# KiCad board travis_erg2024-new5.kicad_pcb
title: travis_erg2024; rev: 2024.03.31; company: Travis Hardiman
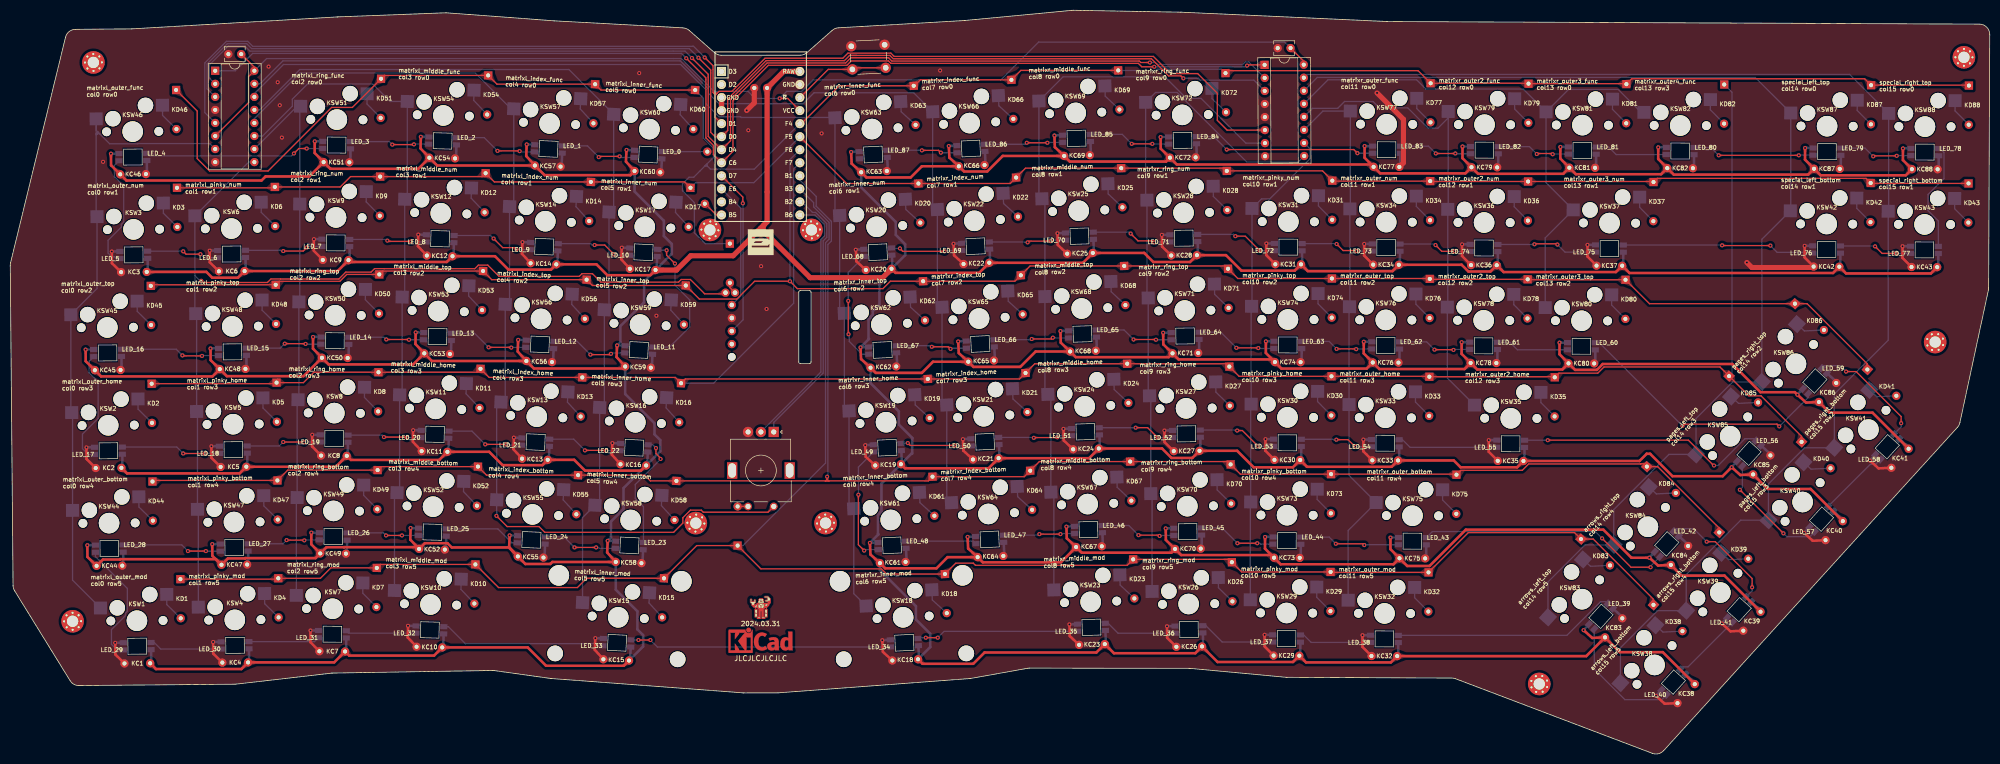
[diagram p0: board, top side]
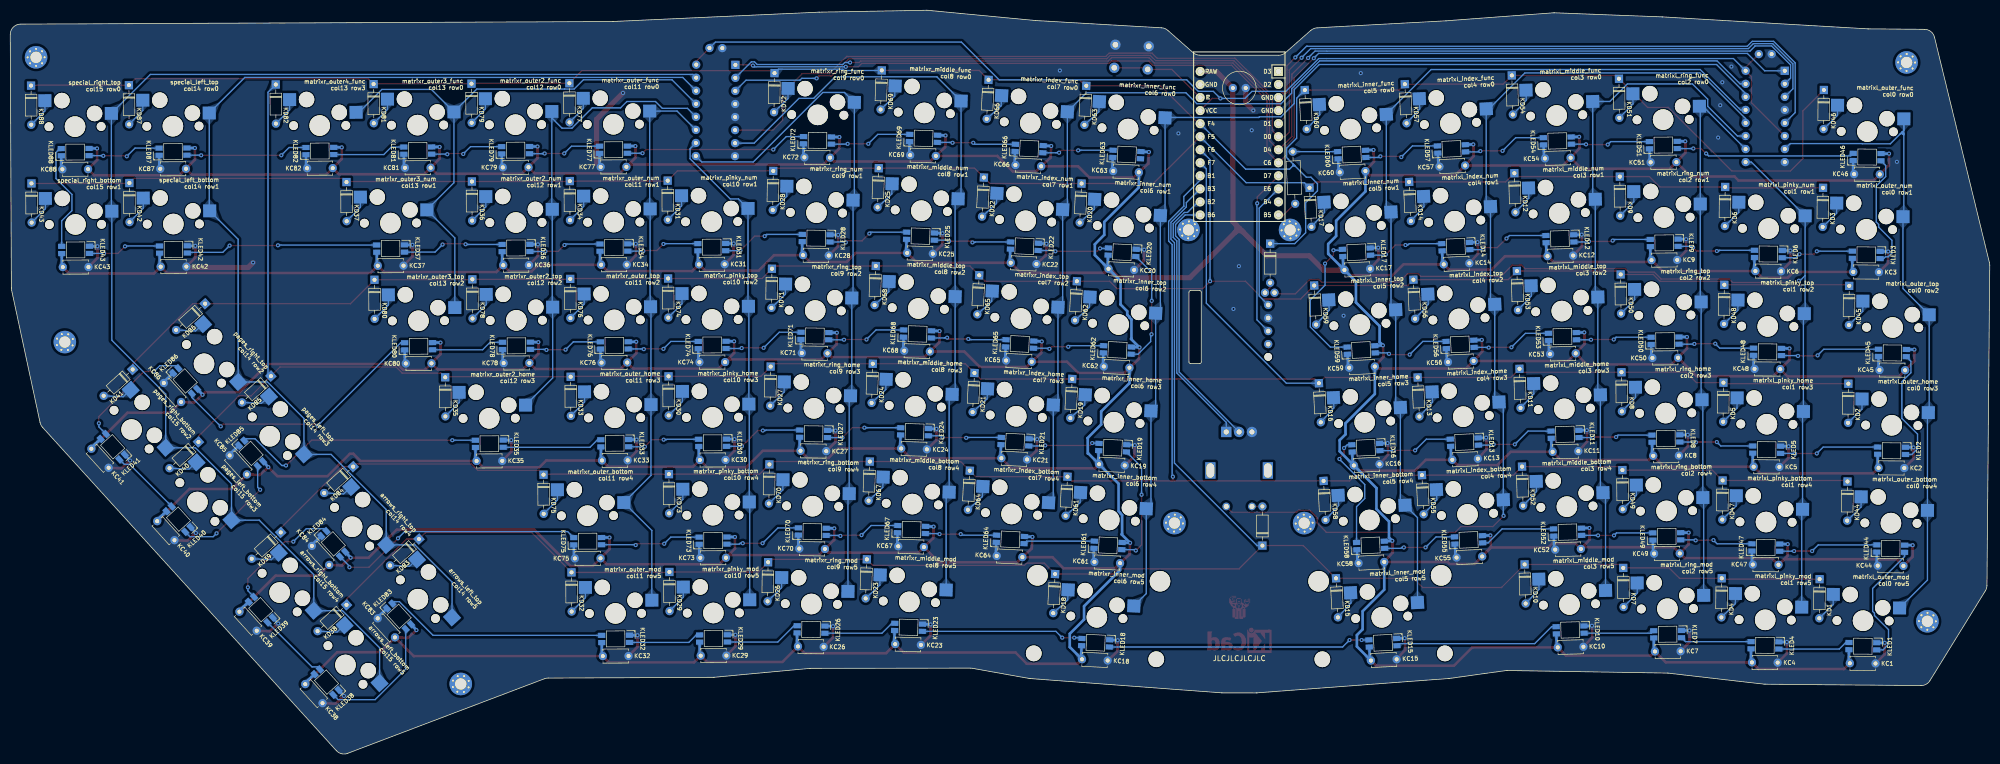
[diagram p1: board, bottom side, seen from below]

Outline 385.27 x 144.76 mm; copper layers: Top, Bottom. Coordinates in mm from the lower left corner of the outline.
Outline path: 0,95.11 arc(0.01,95.36) 0.06,95.6 10.76,139.52 arc(11.46,140.62) 12.68,141.05 23.6,141.14 arc(23.65,141.14) 23.7,141.15 63.72,143.47 arc(63.74,143.48) 63.76,143.48 84.7,144.27 arc(84.81,144.27) 84.92,144.27 105.82,142.71 arc(105.84,142.71) 105.86,142.71 130.92,141.34 arc(131.57,141.19) 132.14,140.84 137.07,136.51 arc(137.68,136.14) 138.39,136.01 153.73,136.02 arc(154.43,136.14) 155.05,136.51 159.98,140.86 arc(160.54,141.2) 161.18,141.35 185.73,142.77 arc(185.77,142.78) 185.8,142.78 206.65,144.76 arc(206.76,144.76) 206.87,144.76 227.81,144.39 arc(227.84,144.39) 227.87,144.39 267.93,142.57 arc(267.98,142.57) 268.02,142.57 383.27,142.06 arc(384.69,141.47) 385.27,140.06 385.05,90.69 arc(385.04,90.48) 385.01,90.28 379.46,64.49 arc(379.29,64) 378.99,63.56 321.8,0.6 arc(320.78,0) 319.61,0.07 281.28,14.61 arc(280.94,14.7) 280.58,14.74 248.46,14.88 arc(248.37,14.88) 248.28,14.89 229.6,16.62 arc(229.51,16.63) 229.42,16.63 198.32,16.67 arc(198.14,16.66) 197.96,16.64 186.99,14.67 arc(186.89,14.66) 186.79,14.65 149.48,11.86 arc(149.41,11.86) 149.33,11.85 142.78,11.85 arc(142.71,11.85) 142.63,11.85 105.29,14.64 arc(105.22,14.65) 105.16,14.66 94.14,16.19 arc(93.99,16.21) 93.83,16.21 62.73,15.71 arc(62.63,15.7) 62.53,15.69 43.92,13.55 arc(43.81,13.54) 43.71,13.54 13.37,13.27 arc(12.38,13.52) 11.65,14.22 0.84,31.74 arc(0.62,32.23) 0.54,32.77 0,95.11

## Placement (name value [footprint] x y rotation side)
C1  6.3V1000UF 6x11mm  [C_Radial_D6.3mm_H11.0mm_P2.50mm]  147.31 129.63 180 bottom
C2  104  [C_Disc_D3.8mm_W2.6mm_P2.50mm]  44.95 136.23 180 top
C3  104  [C_Disc_D3.8mm_W2.6mm_P2.50mm]  249.18 137.41 180.2 top
D1  1N4148  [Diode_DO-35]  140.06 99.32 270 bottom
D2  1N4148  [Diode_DO-35]  141.56 40.53 90 bottom
DIP1  74HC138N  [DIP-16_W7.62mm_Socket]  39.89 132.98 0 top
DIP2  74HC138N  [DIP-16_W7.62mm_Socket]  244.14 134.13 0.2 top
HOLE1  -  [MountingHole_2.2mm_M2_Pad_Via]  16.18 134.6 0.5 top
HOLE2  -  [MountingHole_2.2mm_M2_Pad_Via]  136.17 101.99 357.2 top
HOLE3  -  [MountingHole_2.2mm_M2_Pad_Via]  155.94 102 2.8 top
HOLE4  -  [MountingHole_2.2mm_M2_Pad_Via]  133.43 44.9 357.2 top
HOLE5  -  [MountingHole_2.2mm_M2_Pad_Via]  158.68 44.91 2.8 top
HOLE6  -  [MountingHole_2.2mm_M2_Pad_Via]  380.25 135.6 359.8 top
HOLE7  -  [MountingHole_2.2mm_M2_Pad_Via]  374.65 80.16 23.8 top
HOLE8  -  [MountingHole_2.2mm_M2_Pad_Via]  297.59 13.58 23.8 top
HOLE9  -  [MountingHole_2.2mm_M2_Pad_Via]  12.13 25.79 0.5 top
KC1  104  [C_Disc_D4.7mm_W2.5mm_P5.00mm]  27.23 17.62 180.5 bottom
KC2  104  [C_Disc_D4.7mm_W2.5mm_P5.00mm]  21.63 55.67 180.5 bottom
KC3  104  [C_Disc_D4.7mm_W2.5mm_P5.00mm]  26.56 93.82 180.5 bottom
KC4  104  [C_Disc_D4.7mm_W2.5mm_P5.00mm]  46.28 17.79 180.5 bottom
KC5  104  [C_Disc_D4.7mm_W2.5mm_P5.00mm]  45.94 55.88 180.5 bottom
KC6  104  [C_Disc_D4.7mm_W2.5mm_P5.00mm]  45.61 93.98 180.5 bottom
KC7  104  [C_Disc_D4.7mm_W2.5mm_P5.00mm]  65.16 19.91 179.5 bottom
KC8  104  [C_Disc_D4.7mm_W2.5mm_P5.00mm]  65.5 58.01 179.5 bottom
KC9  104  [C_Disc_D4.7mm_W2.5mm_P5.00mm]  65.83 96.11 179.5 bottom
KC10  104  [C_Disc_D4.7mm_W2.5mm_P5.00mm]  84.08 20.7 178.5 bottom
KC11  104  [C_Disc_D4.7mm_W2.5mm_P5.00mm]  85.07 58.79 178.5 bottom
KC12  104  [C_Disc_D4.7mm_W2.5mm_P5.00mm]  86.07 96.88 178.5 bottom
KC13  104  [C_Disc_D4.7mm_W2.5mm_P5.00mm]  104.61 57.23 177.5 bottom
KC14  104  [C_Disc_D4.7mm_W2.5mm_P5.00mm]  106.27 95.29 177.5 bottom
KC15  104  [C_Disc_D4.7mm_W2.5mm_P5.00mm]  120.43 18.15 177.2 bottom
KC16  104  [C_Disc_D4.7mm_W2.5mm_P5.00mm]  123.76 56.13 177.2 bottom
KC17  104  [C_Disc_D4.7mm_W2.5mm_P5.00mm]  125.59 94.19 177.2 bottom
KC18  104  [C_Disc_D4.7mm_W2.5mm_P5.00mm]  176.67 18.4 182.8 bottom
KC19  104  [C_Disc_D4.7mm_W2.5mm_P5.00mm]  173.35 56.38 182.8 bottom
KC20  104  [C_Disc_D4.7mm_W2.5mm_P5.00mm]  171.52 94.44 182.8 bottom
KC21  104  [C_Disc_D4.7mm_W2.5mm_P5.00mm]  192.36 57.54 182.8 bottom
KC22  104  [C_Disc_D4.7mm_W2.5mm_P5.00mm]  190.54 95.6 182.8 bottom
KC23  104  [C_Disc_D4.7mm_W2.5mm_P5.00mm]  213.03 21.35 181.8 bottom
KC24  104  [C_Disc_D4.7mm_W2.5mm_P5.00mm]  211.87 59.43 181.8 bottom
KC25  104  [C_Disc_D4.7mm_W2.5mm_P5.00mm]  210.7 97.51 181.8 bottom
KC26  104  [C_Disc_D4.7mm_W2.5mm_P5.00mm]  231.96 20.89 180.8 bottom
KC27  104  [C_Disc_D4.7mm_W2.5mm_P5.00mm]  231.46 58.98 180.8 bottom
KC28  104  [C_Disc_D4.7mm_W2.5mm_P5.00mm]  230.96 97.08 180.8 bottom
KC29  104  [C_Disc_D4.7mm_W2.5mm_P5.00mm]  250.89 19.09 179.8 bottom
KC30  104  [C_Disc_D4.7mm_W2.5mm_P5.00mm]  251.05 57.19 179.8 bottom
KC31  104  [C_Disc_D4.7mm_W2.5mm_P5.00mm]  251.22 95.29 179.8 bottom
KC32  104  [C_Disc_D4.7mm_W2.5mm_P5.00mm]  269.94 19.01 179.8 bottom
KC33  104  [C_Disc_D4.7mm_W2.5mm_P5.00mm]  270.1 57.11 179.8 bottom
KC34  104  [C_Disc_D4.7mm_W2.5mm_P5.00mm]  270.27 95.21 179.8 bottom
KC35  104  [C_Disc_D4.7mm_W2.5mm_P5.00mm]  294.52 57 179.8 bottom
KC36  104  [C_Disc_D4.7mm_W2.5mm_P5.00mm]  289.32 95.12 179.8 bottom
KC37  104  [C_Disc_D4.7mm_W2.5mm_P5.00mm]  313.73 95.02 179.8 bottom
KC38  104  [C_Disc_D4.7mm_W2.5mm_P5.00mm]  327.85 13.55 227.8 bottom
KC39  104  [C_Disc_D4.7mm_W2.5mm_P5.00mm]  340.66 27.66 227.8 bottom
KC40  104  [C_Disc_D4.7mm_W2.5mm_P5.00mm]  356.67 45.28 227.8 bottom
KC41  104  [C_Disc_D4.7mm_W2.5mm_P5.00mm]  369.48 59.38 227.8 bottom
KC42  104  [C_Disc_D4.7mm_W2.5mm_P5.00mm]  355.99 94.83 179.8 bottom
KC43  104  [C_Disc_D4.7mm_W2.5mm_P5.00mm]  375.04 94.75 179.8 bottom
KC44  104  [C_Disc_D4.7mm_W2.5mm_P5.00mm]  16.8 36.58 0.5 bottom
KC45  104  [C_Disc_D4.7mm_W2.5mm_P5.00mm]  16.47 74.68 0.5 bottom
KC46  104  [C_Disc_D4.7mm_W2.5mm_P5.00mm]  21.4 112.82 0.5 bottom
KC47  104  [C_Disc_D4.7mm_W2.5mm_P5.00mm]  41.11 36.79 0.5 bottom
KC48  104  [C_Disc_D4.7mm_W2.5mm_P5.00mm]  40.78 74.89 0.5 bottom
KC49  104  [C_Disc_D4.7mm_W2.5mm_P5.00mm]  60.33 39 359.5 bottom
KC50  104  [C_Disc_D4.7mm_W2.5mm_P5.00mm]  60.66 77.1 359.5 bottom
KC51  104  [C_Disc_D4.7mm_W2.5mm_P5.00mm]  60.99 115.2 359.5 bottom
KC52  104  [C_Disc_D4.7mm_W2.5mm_P5.00mm]  79.58 39.88 358.5 bottom
KC53  104  [C_Disc_D4.7mm_W2.5mm_P5.00mm]  80.57 77.96 358.5 bottom
KC54  104  [C_Disc_D4.7mm_W2.5mm_P5.00mm]  81.57 116.05 358.5 bottom
KC55  104  [C_Disc_D4.7mm_W2.5mm_P5.00mm]  98.78 38.41 357.5 bottom
KC56  104  [C_Disc_D4.7mm_W2.5mm_P5.00mm]  100.44 76.48 357.5 bottom
KC57  104  [C_Disc_D4.7mm_W2.5mm_P5.00mm]  102.11 114.54 357.5 bottom
KC58  104  [C_Disc_D4.7mm_W2.5mm_P5.00mm]  117.85 37.34 357.2 bottom
KC59  104  [C_Disc_D4.7mm_W2.5mm_P5.00mm]  119.68 75.4 357.2 bottom
KC60  104  [C_Disc_D4.7mm_W2.5mm_P5.00mm]  121.51 113.45 357.2 bottom
KC61  104  [C_Disc_D4.7mm_W2.5mm_P5.00mm]  169.27 37.11 2.8 bottom
KC62  104  [C_Disc_D4.7mm_W2.5mm_P5.00mm]  167.44 75.17 2.8 bottom
KC63  104  [C_Disc_D4.7mm_W2.5mm_P5.00mm]  165.61 113.22 2.8 bottom
KC64  104  [C_Disc_D4.7mm_W2.5mm_P5.00mm]  188.28 38.28 2.8 bottom
KC65  104  [C_Disc_D4.7mm_W2.5mm_P5.00mm]  186.46 76.33 2.8 bottom
KC66  104  [C_Disc_D4.7mm_W2.5mm_P5.00mm]  184.63 114.39 2.8 bottom
KC67  104  [C_Disc_D4.7mm_W2.5mm_P5.00mm]  207.45 40.24 1.8 bottom
KC68  104  [C_Disc_D4.7mm_W2.5mm_P5.00mm]  206.29 78.32 1.8 bottom
KC69  104  [C_Disc_D4.7mm_W2.5mm_P5.00mm]  205.12 116.4 1.8 bottom
KC70  104  [C_Disc_D4.7mm_W2.5mm_P5.00mm]  226.71 39.87 0.8 bottom
KC71  104  [C_Disc_D4.7mm_W2.5mm_P5.00mm]  226.21 77.97 0.8 bottom
KC72  104  [C_Disc_D4.7mm_W2.5mm_P5.00mm]  225.71 116.06 0.8 bottom
KC73  104  [C_Disc_D4.7mm_W2.5mm_P5.00mm]  245.97 38.16 359.8 bottom
KC74  104  [C_Disc_D4.7mm_W2.5mm_P5.00mm]  246.14 76.26 359.8 bottom
KC75  104  [C_Disc_D4.7mm_W2.5mm_P5.00mm]  270.38 38.06 359.8 bottom
KC76  104  [C_Disc_D4.7mm_W2.5mm_P5.00mm]  265.19 76.18 359.8 bottom
KC77  104  [C_Disc_D4.7mm_W2.5mm_P5.00mm]  265.35 114.28 359.8 bottom
KC78  104  [C_Disc_D4.7mm_W2.5mm_P5.00mm]  284.24 76.1 359.8 bottom
KC79  104  [C_Disc_D4.7mm_W2.5mm_P5.00mm]  284.4 114.2 359.8 bottom
KC80  104  [C_Disc_D4.7mm_W2.5mm_P5.00mm]  303.29 76.01 359.8 bottom
KC81  104  [C_Disc_D4.7mm_W2.5mm_P5.00mm]  303.45 114.11 359.8 bottom
KC82  104  [C_Disc_D4.7mm_W2.5mm_P5.00mm]  322.5 114.03 359.8 bottom
KC83  104  [C_Disc_D4.7mm_W2.5mm_P5.00mm]  310.39 22.66 47.8 bottom
KC84  104  [C_Disc_D4.7mm_W2.5mm_P5.00mm]  323.2 36.76 47.8 bottom
KC85  104  [C_Disc_D4.7mm_W2.5mm_P5.00mm]  339.21 54.39 47.8 bottom
KC86  104  [C_Disc_D4.7mm_W2.5mm_P5.00mm]  352.02 68.49 47.8 bottom
KC87  104  [C_Disc_D4.7mm_W2.5mm_P5.00mm]  351.08 113.9 359.8 bottom
KC88  104  [C_Disc_D4.7mm_W2.5mm_P5.00mm]  370.13 113.82 359.8 bottom
KD1  1N4148  [Diode_DO-35]  33.11 34 270.5 bottom
KD2  1N4148  [Diode_DO-35]  27.51 72.05 270.5 bottom
KD3  1N4148  [Diode_DO-35]  32.44 110.19 270.5 bottom
KD4  1N4148  [Diode_DO-35]  52.16 34.16 270.5 bottom
KD5  1N4148  [Diode_DO-35]  51.83 72.26 270.5 bottom
KD6  1N4148  [Diode_DO-35]  51.49 110.36 270.5 bottom
KD7  1N4148  [Diode_DO-35]  71.33 36.18 269.5 bottom
KD8  1N4148  [Diode_DO-35]  71.66 74.28 269.5 bottom
KD9  1N4148  [Diode_DO-35]  72 112.38 269.5 bottom
KD10  1N4148  [Diode_DO-35]  90.53 36.86 268.5 bottom
KD11  1N4148  [Diode_DO-35]  91.52 74.95 268.5 bottom
KD12  1N4148  [Diode_DO-35]  92.52 113.04 268.5 bottom
KD13  1N4148  [Diode_DO-35]  111.34 73.28 267.5 bottom
KD14  1N4148  [Diode_DO-35]  113 111.34 267.5 bottom
KD15  1N4148  [Diode_DO-35]  127.23 34.16 267.2 bottom
KD16  1N4148  [Diode_DO-35]  130.56 72.15 267.2 bottom
KD17  1N4148  [Diode_DO-35]  132.39 110.2 267.2 bottom
KD18  1N4148  [Diode_DO-35]  181.91 34.99 272.8 bottom
KD19  1N4148  [Diode_DO-35]  178.58 72.97 272.8 bottom
KD20  1N4148  [Diode_DO-35]  176.75 111.03 272.8 bottom
KD21  1N4148  [Diode_DO-35]  197.6 74.14 272.8 bottom
KD22  1N4148  [Diode_DO-35]  195.77 112.19 272.8 bottom
KD23  1N4148  [Diode_DO-35]  218.55 37.85 271.8 bottom
KD24  1N4148  [Diode_DO-35]  217.39 75.93 271.8 bottom
KD25  1N4148  [Diode_DO-35]  216.23 114.02 271.8 bottom
KD26  1N4148  [Diode_DO-35]  237.77 37.29 270.8 bottom
KD27  1N4148  [Diode_DO-35]  237.27 75.39 270.8 bottom
KD28  1N4148  [Diode_DO-35]  236.77 113.48 270.8 bottom
KD29  1N4148  [Diode_DO-35]  256.98 35.39 269.8 bottom
KD30  1N4148  [Diode_DO-35]  257.15 73.49 269.8 bottom
KD31  1N4148  [Diode_DO-35]  257.32 111.59 269.8 bottom
KD32  1N4148  [Diode_DO-35]  276.03 35.31 269.8 bottom
KD33  1N4148  [Diode_DO-35]  276.2 73.41 269.8 bottom
KD34  1N4148  [Diode_DO-35]  276.37 111.51 269.8 bottom
KD35  1N4148  [Diode_DO-35]  300.61 73.3 269.8 bottom
KD36  1N4148  [Diode_DO-35]  295.42 111.42 269.8 bottom
KD37  1N4148  [Diode_DO-35]  319.83 111.32 269.8 bottom
KD38  1N4148  [Diode_DO-35]  319.82 28.99 317.8 bottom
KD39  1N4148  [Diode_DO-35]  332.63 43.09 317.8 bottom
KD40  1N4148  [Diode_DO-35]  348.64 60.72 317.8 bottom
KD41  1N4148  [Diode_DO-35]  361.45 74.82 317.8 bottom
KD42  1N4148  [Diode_DO-35]  362.09 111.13 269.8 bottom
KD43  1N4148  [Diode_DO-35]  381.14 111.05 269.8 bottom
KD44  1N4148  [Diode_DO-35]  27.68 53 270.5 bottom
KD45  1N4148  [Diode_DO-35]  27.35 91.1 270.5 bottom
KD46  1N4148  [Diode_DO-35]  32.28 129.24 270.5 bottom
KD47  1N4148  [Diode_DO-35]  51.99 53.21 270.5 bottom
KD48  1N4148  [Diode_DO-35]  51.66 91.31 270.5 bottom
KD49  1N4148  [Diode_DO-35]  71.5 55.23 269.5 bottom
KD50  1N4148  [Diode_DO-35]  71.83 93.33 269.5 bottom
KD51  1N4148  [Diode_DO-35]  72.16 131.43 269.5 bottom
KD52  1N4148  [Diode_DO-35]  91.02 55.91 268.5 bottom
KD53  1N4148  [Diode_DO-35]  92.02 93.99 268.5 bottom
KD54  1N4148  [Diode_DO-35]  93.02 132.08 268.5 bottom
KD55  1N4148  [Diode_DO-35]  110.51 54.24 267.5 bottom
KD56  1N4148  [Diode_DO-35]  112.17 92.31 267.5 bottom
KD57  1N4148  [Diode_DO-35]  113.83 130.37 267.5 bottom
KD58  1N4148  [Diode_DO-35]  129.65 53.12 267.2 bottom
KD59  1N4148  [Diode_DO-35]  131.47 91.18 267.2 bottom
KD60  1N4148  [Diode_DO-35]  133.3 129.23 267.2 bottom
KD61  1N4148  [Diode_DO-35]  179.5 53.95 272.8 bottom
KD62  1N4148  [Diode_DO-35]  177.67 92 272.8 bottom
KD63  1N4148  [Diode_DO-35]  175.84 130.06 272.8 bottom
KD64  1N4148  [Diode_DO-35]  198.51 55.11 272.8 bottom
KD65  1N4148  [Diode_DO-35]  196.68 93.17 272.8 bottom
KD66  1N4148  [Diode_DO-35]  194.86 131.22 272.8 bottom
KD67  1N4148  [Diode_DO-35]  217.97 56.89 271.8 bottom
KD68  1N4148  [Diode_DO-35]  216.81 94.98 271.8 bottom
KD69  1N4148  [Diode_DO-35]  215.64 133.06 271.8 bottom
KD70  1N4148  [Diode_DO-35]  237.52 56.34 270.8 bottom
KD71  1N4148  [Diode_DO-35]  237.02 94.43 270.8 bottom
KD72  1N4148  [Diode_DO-35]  236.52 132.53 270.8 bottom
KD73  1N4148  [Diode_DO-35]  257.07 54.44 269.8 bottom
KD74  1N4148  [Diode_DO-35]  257.23 92.54 269.8 bottom
KD75  1N4148  [Diode_DO-35]  281.48 54.33 269.8 bottom
KD76  1N4148  [Diode_DO-35]  276.28 92.46 269.8 bottom
KD77  1N4148  [Diode_DO-35]  276.45 130.56 269.8 bottom
KD78  1N4148  [Diode_DO-35]  295.33 92.37 269.8 bottom
KD79  1N4148  [Diode_DO-35]  295.5 130.47 269.8 bottom
KD80  1N4148  [Diode_DO-35]  314.38 92.29 269.8 bottom
KD81  1N4148  [Diode_DO-35]  314.55 130.39 269.8 bottom
KD82  1N4148  [Diode_DO-35]  333.6 130.31 269.8 bottom
KD83  1N4148  [Diode_DO-35]  305.72 41.8 317.8 bottom
KD84  1N4148  [Diode_DO-35]  318.53 55.9 317.8 bottom
KD85  1N4148  [Diode_DO-35]  334.54 73.53 317.8 bottom
KD86  1N4148  [Diode_DO-35]  347.35 87.63 317.8 bottom
KD87  1N4148  [Diode_DO-35]  362.17 130.18 269.8 bottom
KD88  1N4148  [Diode_DO-35]  381.22 130.1 269.8 bottom
KLED1  SK6812mini-e  [led_SK6812mini-e (per-key single-side)]  24.7 20.94 0.5 bottom
KLED2  SK6812mini-e  [led_SK6812mini-e (per-key single-side)]  19.1 58.99 0.5 bottom
KLED3  SK6812mini-e  [led_SK6812mini-e (per-key single-side)]  24.03 97.14 0.5 bottom
KLED4  SK6812mini-e  [led_SK6812mini-e (per-key single-side)]  43.75 21.1 0.5 bottom
KLED5  SK6812mini-e  [led_SK6812mini-e (per-key single-side)]  43.42 59.2 0.5 bottom
KLED6  SK6812mini-e  [led_SK6812mini-e (per-key single-side)]  43.08 97.3 0.5 bottom
KLED7  SK6812mini-e  [led_SK6812mini-e (per-key single-side)]  62.69 23.27 359.5 bottom
KLED8  SK6812mini-e  [led_SK6812mini-e (per-key single-side)]  63.03 61.37 359.5 bottom
KLED9  SK6812mini-e  [led_SK6812mini-e (per-key single-side)]  63.36 99.47 359.5 bottom
KLED10  SK6812mini-e  [led_SK6812mini-e (per-key single-side)]  81.66 24.11 358.5 bottom
KLED11  SK6812mini-e  [led_SK6812mini-e (per-key single-side)]  82.66 62.19 358.5 bottom
KLED12  SK6812mini-e  [led_SK6812mini-e (per-key single-side)]  83.66 100.28 358.5 bottom
KLED13  SK6812mini-e  [led_SK6812mini-e (per-key single-side)]  102.26 60.67 357.5 bottom
KLED14  SK6812mini-e  [led_SK6812mini-e (per-key single-side)]  103.92 98.74 357.5 bottom
KLED15  SK6812mini-e  [led_SK6812mini-e (per-key single-side)]  118.1 21.6 357.2 bottom
KLED16  SK6812mini-e  [led_SK6812mini-e (per-key single-side)]  121.42 59.59 357.2 bottom
KLED17  SK6812mini-e  [led_SK6812mini-e (per-key single-side)]  123.25 97.64 357.2 bottom
KLED18  SK6812mini-e  [led_SK6812mini-e (per-key single-side)]  174.02 21.61 2.8 bottom
KLED19  SK6812mini-e  [led_SK6812mini-e (per-key single-side)]  170.69 59.6 2.8 bottom
KLED20  SK6812mini-e  [led_SK6812mini-e (per-key single-side)]  168.86 97.65 2.8 bottom
KLED21  SK6812mini-e  [led_SK6812mini-e (per-key single-side)]  189.71 60.76 2.8 bottom
KLED22  SK6812mini-e  [led_SK6812mini-e (per-key single-side)]  187.88 98.82 2.8 bottom
KLED23  SK6812mini-e  [led_SK6812mini-e (per-key single-side)]  210.43 24.61 1.8 bottom
KLED24  SK6812mini-e  [led_SK6812mini-e (per-key single-side)]  209.26 62.69 1.8 bottom
KLED25  SK6812mini-e  [led_SK6812mini-e (per-key single-side)]  208.1 100.78 1.8 bottom
KLED26  SK6812mini-e  [led_SK6812mini-e (per-key single-side)]  229.41 24.19 0.8 bottom
KLED27  SK6812mini-e  [led_SK6812mini-e (per-key single-side)]  228.91 62.29 0.8 bottom
KLED28  SK6812mini-e  [led_SK6812mini-e (per-key single-side)]  228.42 100.39 0.8 bottom
KLED29  SK6812mini-e  [led_SK6812mini-e (per-key single-side)]  248.4 22.44 359.8 bottom
KLED30  SK6812mini-e  [led_SK6812mini-e (per-key single-side)]  248.57 60.54 359.8 bottom
KLED31  SK6812mini-e  [led_SK6812mini-e (per-key single-side)]  248.73 98.64 359.8 bottom
KLED32  SK6812mini-e  [led_SK6812mini-e (per-key single-side)]  267.45 22.36 359.8 bottom
KLED33  SK6812mini-e  [led_SK6812mini-e (per-key single-side)]  267.62 60.46 359.8 bottom
KLED34  SK6812mini-e  [led_SK6812mini-e (per-key single-side)]  267.78 98.56 359.8 bottom
KLED35  SK6812mini-e  [led_SK6812mini-e (per-key single-side)]  292.03 60.35 359.8 bottom
KLED36  SK6812mini-e  [led_SK6812mini-e (per-key single-side)]  286.83 98.48 359.8 bottom
KLED37  SK6812mini-e  [led_SK6812mini-e (per-key single-side)]  311.25 98.37 359.8 bottom
KLED38  SK6812mini-e  [led_SK6812mini-e (per-key single-side)]  323.7 13.95 47.8 bottom
KLED39  SK6812mini-e  [led_SK6812mini-e (per-key single-side)]  336.51 28.05 47.8 bottom
KLED40  SK6812mini-e  [led_SK6812mini-e (per-key single-side)]  352.52 45.68 47.8 bottom
KLED41  SK6812mini-e  [led_SK6812mini-e (per-key single-side)]  365.33 59.78 47.8 bottom
KLED42  SK6812mini-e  [led_SK6812mini-e (per-key single-side)]  353.51 98.18 359.8 bottom
KLED43  SK6812mini-e  [led_SK6812mini-e (per-key single-side)]  372.56 98.1 359.8 bottom
KLED44  SK6812mini-e  [led_SK6812mini-e (per-key single-side)]  19.27 39.94 180.5 bottom
KLED45  SK6812mini-e  [led_SK6812mini-e (per-key single-side)]  18.94 78.04 180.5 bottom
KLED46  SK6812mini-e  [led_SK6812mini-e (per-key single-side)]  23.87 116.18 180.5 bottom
KLED47  SK6812mini-e  [led_SK6812mini-e (per-key single-side)]  43.58 40.15 180.5 bottom
KLED48  SK6812mini-e  [led_SK6812mini-e (per-key single-side)]  43.25 78.25 180.5 bottom
KLED49  SK6812mini-e  [led_SK6812mini-e (per-key single-side)]  62.86 42.32 179.5 bottom
KLED50  SK6812mini-e  [led_SK6812mini-e (per-key single-side)]  63.19 80.42 179.5 bottom
KLED51  SK6812mini-e  [led_SK6812mini-e (per-key single-side)]  63.52 118.52 179.5 bottom
KLED52  SK6812mini-e  [led_SK6812mini-e (per-key single-side)]  82.16 43.15 178.5 bottom
KLED53  SK6812mini-e  [led_SK6812mini-e (per-key single-side)]  83.16 81.24 178.5 bottom
KLED54  SK6812mini-e  [led_SK6812mini-e (per-key single-side)]  84.16 119.32 178.5 bottom
KLED55  SK6812mini-e  [led_SK6812mini-e (per-key single-side)]  101.43 41.64 177.5 bottom
KLED56  SK6812mini-e  [led_SK6812mini-e (per-key single-side)]  103.09 79.71 177.5 bottom
KLED57  SK6812mini-e  [led_SK6812mini-e (per-key single-side)]  104.75 117.77 177.5 bottom
KLED58  SK6812mini-e  [led_SK6812mini-e (per-key single-side)]  120.51 40.56 177.2 bottom
KLED59  SK6812mini-e  [led_SK6812mini-e (per-key single-side)]  122.34 78.62 177.2 bottom
KLED60  SK6812mini-e  [led_SK6812mini-e (per-key single-side)]  124.16 116.67 177.2 bottom
KLED61  SK6812mini-e  [led_SK6812mini-e (per-key single-side)]  171.6 40.57 182.8 bottom
KLED62  SK6812mini-e  [led_SK6812mini-e (per-key single-side)]  169.78 78.62 182.8 bottom
KLED63  SK6812mini-e  [led_SK6812mini-e (per-key single-side)]  167.95 116.68 182.8 bottom
KLED64  SK6812mini-e  [led_SK6812mini-e (per-key single-side)]  190.62 41.73 182.8 bottom
KLED65  SK6812mini-e  [led_SK6812mini-e (per-key single-side)]  188.79 79.79 182.8 bottom
KLED66  SK6812mini-e  [led_SK6812mini-e (per-key single-side)]  186.96 117.84 182.8 bottom
KLED67  SK6812mini-e  [led_SK6812mini-e (per-key single-side)]  209.85 43.65 181.8 bottom
KLED68  SK6812mini-e  [led_SK6812mini-e (per-key single-side)]  208.68 81.74 181.8 bottom
KLED69  SK6812mini-e  [led_SK6812mini-e (per-key single-side)]  207.52 119.82 181.8 bottom
KLED70  SK6812mini-e  [led_SK6812mini-e (per-key single-side)]  229.16 43.24 180.8 bottom
KLED71  SK6812mini-e  [led_SK6812mini-e (per-key single-side)]  228.67 81.34 180.8 bottom
KLED72  SK6812mini-e  [led_SK6812mini-e (per-key single-side)]  228.17 119.43 180.8 bottom
KLED73  SK6812mini-e  [led_SK6812mini-e (per-key single-side)]  248.48 41.49 179.8 bottom
KLED74  SK6812mini-e  [led_SK6812mini-e (per-key single-side)]  248.65 79.59 179.8 bottom
KLED75  SK6812mini-e  [led_SK6812mini-e (per-key single-side)]  272.9 41.39 179.8 bottom
KLED76  SK6812mini-e  [led_SK6812mini-e (per-key single-side)]  267.7 79.51 179.8 bottom
KLED77  SK6812mini-e  [led_SK6812mini-e (per-key single-side)]  267.87 117.61 179.8 bottom
KLED78  SK6812mini-e  [led_SK6812mini-e (per-key single-side)]  286.75 79.43 179.8 bottom
KLED79  SK6812mini-e  [led_SK6812mini-e (per-key single-side)]  286.92 117.52 179.8 bottom
KLED80  SK6812mini-e  [led_SK6812mini-e (per-key single-side)]  305.8 79.34 179.8 bottom
KLED81  SK6812mini-e  [led_SK6812mini-e (per-key single-side)]  305.97 117.44 179.8 bottom
KLED82  SK6812mini-e  [led_SK6812mini-e (per-key single-side)]  325.02 117.36 179.8 bottom
KLED83  SK6812mini-e  [led_SK6812mini-e (per-key single-side)]  309.6 26.76 227.8 bottom
KLED84  SK6812mini-e  [led_SK6812mini-e (per-key single-side)]  322.41 40.86 227.8 bottom
KLED85  SK6812mini-e  [led_SK6812mini-e (per-key single-side)]  338.42 58.49 227.8 bottom
KLED86  SK6812mini-e  [led_SK6812mini-e (per-key single-side)]  351.23 72.59 227.8 bottom
KLED87  SK6812mini-e  [led_SK6812mini-e (per-key single-side)]  353.59 117.23 179.8 bottom
KLED88  SK6812mini-e  [led_SK6812mini-e (per-key single-side)]  372.64 117.15 179.8 bottom
KSW1  Kailh MX Switch Sockets  [MX]  24.65 25.9 0.5 top
KSW2  Kailh MX Switch Sockets  [MX]  19.06 63.95 0.5 top
KSW3  Kailh MX Switch Sockets  [MX]  23.99 102.1 0.5 top
KSW4  Kailh MX Switch Sockets  [MX]  43.7 26.06 0.5 top
KSW5  Kailh MX Switch Sockets  [MX]  43.37 64.16 0.5 top
KSW6  Kailh MX Switch Sockets  [MX]  43.04 102.26 0.5 top
KSW7  Kailh MX Switch Sockets  [MX]  62.74 28.23 359.5 top
KSW8  Kailh MX Switch Sockets  [MX]  63.07 66.33 359.5 top
KSW9  Kailh MX Switch Sockets  [MX]  63.4 104.43 359.5 top
KSW10  Kailh MX Switch Sockets  [MX]  81.79 29.06 358.5 top
KSW11  Kailh MX Switch Sockets  [MX]  82.79 67.15 358.5 top
KSW12  Kailh MX Switch Sockets  [MX]  83.79 105.24 358.5 top
KSW13  Kailh MX Switch Sockets  [MX]  102.47 65.63 357.5 top